# Altium PCB TimeCard-DC-V1.PcbDoc (part 1 of 3) (continued)
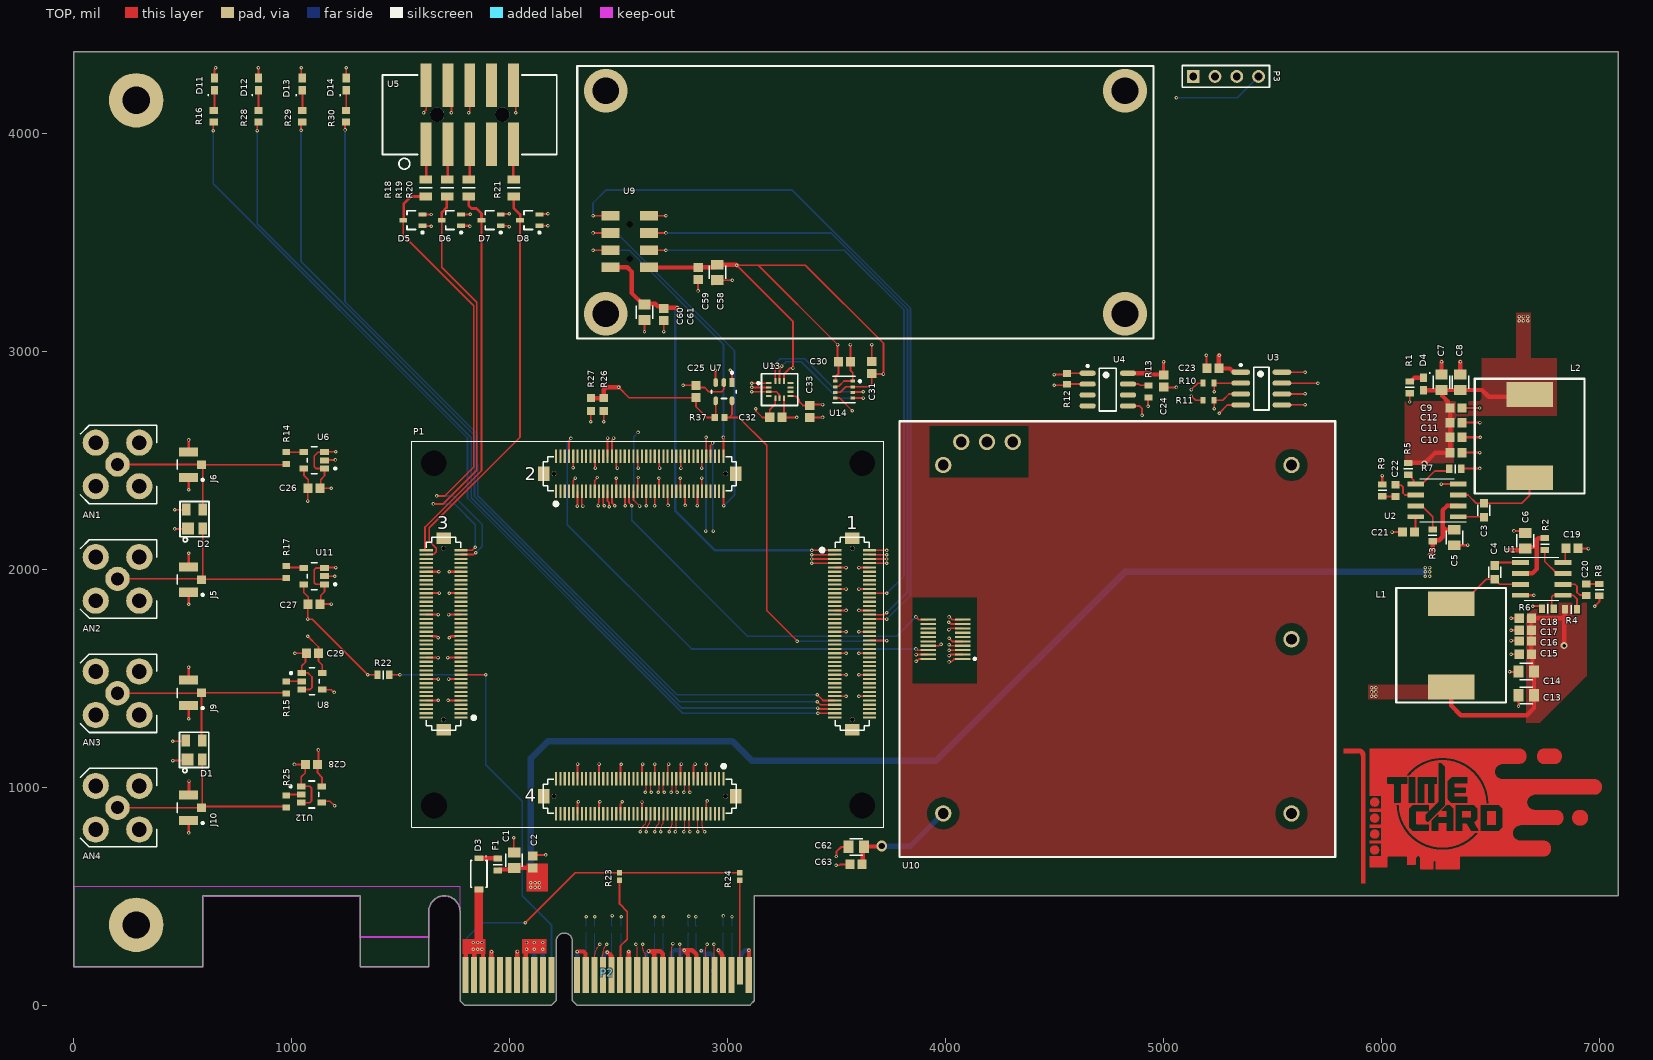
[diagram p0: TOP view]
## Components (designator, comment, footprint, x,y, rotation, side; value= is the part's Value field where it differs from the comment) (continued)
D1 "8240136" SOT143-4L 551.18,1171.26 r90 top
D2 "8240136" SOT143-4L 553.15,2230.31 r90 top
D3 "DFLZ39-TP" SODFL370X135-2N 1858.27,602.36 r270 top value=DFLZ39
D4 "RED" DIOM1608X06N 6192.91,2850.39 r270 top
D5 "BAT54SW" SOT65P210X110-3N 1555.12,3602.36 r180 top
D6 "BAT54SW" SOT65P210X110-3N 1732.28,3602.36 r180 top
D7 "BAT54SW" SOT65P210X110-3N 1914.37,3602.36 r180 top
D8 "BAT54SW" SOT65P210X110-3N 2091.54,3602.36 r180 top
D11 "RED" DIOM1608X06N 644.84,4226.06 r90 top
D12 "RED" DIOM1608X06N 846.51,4226.06 r90 top
D13 "RED" DIOM1608X06N 1048.18,4226.06 r90 top
D14 "RED" DIOM1608X06N 1249.84,4226.06 r90 top
F1 "FUSE_0603_2.00A" FUSM1608X60N 1944.88,645.28 r270 top value=2.00A
J5 "1909763-1" TECO-1909763-1_V 525.59,1952.76 r90 top
J6 "1909763-1" TECO-1909763-1_V 525.59,2480.32 r90 top
J9 "1909763-1" TECO-1909763-1_V 525.59,1433.07 r90 top
J10 "1909763-1" TECO-1909763-1_V 525.59,905.51 r90 top
L1 "PM124SH-100M-RC" IND_PM124SH 6319.84,1651.06 r90 top value=10.uH
L2 "PM124SH-100M-RC" IND_PM124SH 6679.84,2611.06 r270 top value=10.uH
P1 "FPGA_CONN" FPGA_CONN 2633.9,1698.43 r0 top locked
P2 "PCIex4" PCIE_4LANE_EDGE 2446.85,245.04 r0 top
P3 "AUX Sensor" HDR1X4 5136.22,4261.81 r0 top
R1 "ERJ-3EKF2000V" RESC1608X50N 6129.92,2834.65 r90 top value="200 OHM"
R2 "ERJ-3EKF4702V" RESC1608X50N 6749.84,2116.06 r90 top value=47K
R3 "ERJ-3EKF4702V" RESC1608X50N 6234.84,2156.06 r270 top value=47K
R4 "ERJ-3EKF4702V" RESC1608X50N 6869.84,1816.06 r0 top value=47K
R5 "ERJ-3EKF2612V" RESC1608X50N 6122.84,2461.06 r90 top value=26.1K
R6 "ERJ-3EKF1002V" RESC1608X50N 6763.78,1818.9 r0 top value=10K
R7 "ERJ-3EKF1002V" RESC1608X50N 6338.58,2460.63 r180 top value=10K
R8 "ERJ-3EKF2201V" RESC1608X50N 7000,1905.51 r90 top value=2.2K
R9 "ERJ-3EKF2201V" RESC1608X50N 6003.94,2362.2 r270 top value=2.2K
R10 "4.7K" RESC1608X55X25LL10T15 5206.69,2854.33 r0 top
R11 "4.7K" RESC1608X55X25LL10T15 5206.69,2775.59 r0 top
R12 "110R" RESC1609X50X30NL10T20 4557.09,2874.02 r270 top
R13 "49.9R" RESC1608X55X25NL10T15 4931.1,2814.96 r270 top
R14 "49.9R" RESC1608X55X25NL10T15 974.41,2509.84 r270 top
R15 "49.9R" RESC1608X55X25NL10T15 974.41,1456.69 r270 top
R16 "200 OHM" RESC1608X55X30NL15T15#1 641.73,4078.74 r90 top
R17 "49.9R" RESC1608X55X25NL10T15 974.41,1988.19 r270 top
R18 "CRCW080533R0FKEA" RESC2012X50N 1614.17,3750 r90 top value="33 OHM"
R19 "CRCW080533R0FKEA" RESC2012X50N 1712.6,3750 r90 top value="33 OHM"
R20 "CRCW080533R0FKEA" RESC2012X50N 1811.02,3750 r90 top value="33 OHM"
R21 "CRCW080533R0FKEA" RESC2012X50N 2017.72,3750 r90 top value="33 OHM"
R22 "ERJ-3EKF4701V" RESC1608X50N 1419.68,1515.75 r180 top value=4.7K
R23 "ERJ-2GE0R00X" RESC1005X04N 2503.94,590.55 r270 top value="0 OHM"
R24 "ERJ-2GE0R00X" RESC1005X04N 3055.12,590.55 r270 top value="0 OHM"
R25 "49.9R" RESC1608X55X25NL10T15 974.41,935.04 r270 top
R26 "4.7K" RESC1608X55X30NL15T15#2 2431.1,2755.91 r90 top
R27 "4.7K" RESC1608X55X30NL15T15#2 2372.05,2755.91 r90 top
R28 "200 OHM" RESC1608X55X30NL15T15#1 846.46,4078.74 r90 top
R29 "200 OHM" RESC1608X55X30NL15T15#1 1047.24,4078.74 r90 top
R30 "200 OHM" RESC1608X55X30NL15T15#1 1248.03,4078.74 r90 top
R37 "10K" RESC1608X55X30LL15T20 2962.6,2696.85 r180 top
U1 "MP1482DS-LF" SOIC127P600X175-8N 6734.84,1956.06 r0 top value=MP1482DS
U2 "MP1482DS-LF" SOIC127P600X175-8N 6254.84,2316.06 r180 top value=MP1482DS
U3 "DS90LV027AQMA" M08A_N 5448.82,2829.33 r0 top
U4 "DS90LV028AQMA" M08A_L 4744.09,2824.8 r0 top
U5 "HTST-105-01-L-DV-A" SAMTEC_HTST-105-01-L-DV-A 1816.1,4086.1 r0 top value=2X5
U6 "NC7SZ125M5" FP-318BQ-MFG 1102.36,2500 r180 top
U7 "AT24MAC402-STUM-T" FP-5TS1-IPC_C 2982.28,2814.96 r270 top
U8 "NC7SZ125M5" FP-318BQ-MFG 1092.52,1486.22 r0 top
U9 "RCB-F9T" GNSS 2550.3,3503.94 r0 top
U10 "MAC-SA5X" SA53 4753.94,1732.28 r0 top value=RV-3049-C3
U11 "NC7SZ125M5" FP-318BQ-MFG 1102.36,1968.5 r180 top
U12 "NC7SZ125M5" FP-318BQ-MFG 1090.55,966.54 r0 top
U13 "BMX160" FP-BMX160-MFG 3238.19,2824.8 r0 top
U14 "BME280" FP-BME280-MFG 3533.46,2824.8 r0 top

## Footprints (in the part's own frame and the unit in brackets; to place one, negate y for a bottom-side part, rotate by r counter-clockwise, add the part's x,y. Pads: shape width x height; smd on the part's side, far side on the other; paste and mask are expansions set on the pad)
AMPHENOL-901-143-6RFX [mil] "CONN JACK SMA R/A TH"
  round 112 hole 60: 1(0,0)
  round 120 hole 68: 2(-100,-100) 3(-100,100) 4(100,100) 5(100,-100)
  silkscreen extent -180,-180 170,180, body extent -138,-138 356,138, height 388
CAPC1005X06N [mm] "Chip Capacitor, 0402, 2-Leads, Body 1.00x0.50mm, IPC Medium Density"
  rect 0.68x0.64 smd: 1(-0.43,0) 2(0.43,0)
  body extent -0.55,-0.3 0.55,0.3, height 0.6
CAPC1608X10N [mm] "Chip Capacitor, 0603, 2-Leads, Body 1.60x0.80mm, IPC Medium Density"
  rect 1x0.95 smd: 1(-0.8,0) 2(0.8,0)
  silkscreen extent -0.64,-0.71 0.64,0.71, body extent -0.88,-0.48 0.87,0.48, height 1
CAPC1608X87X45ML20T05 [mm] "Chip Capacitor, 2-Leads, Body 1.60x0.80mm, IPC Low Density"
  rect 1.05x1.1 smd: 1(-0.7,0) 2(0.7,0)
  body extent -0.9,-0.5 0.9,0.5, height 0.87
CAPC1608X90X35NL10T15 [mm] "Chip Capacitor, 2-Leads, Body 1.60x0.80mm, IPC Medium Density"
  rect 0.85x0.95 smd: 1(-0.675,0) 2(0.675,0)
  body extent -0.85,-0.45 0.85,0.45, height 0.9
CAPC2012X14N [mm] "Chip Capacitor, 0805, 2-Leads, Body 2.00x1.25mm, IPC Medium Density"
  rect 1.15x1.45 smd: 1(-0.9,0) 2(0.9,0)
  silkscreen extent -0.76,-0.97 0.76,0.97, body extent -1.1,-0.72 1.1,0.72, height 1.4
DIOM1608X06N [mm] "Molded Diode, 0603, 2-Leads, Body 1.60x0.80mm, IPC Medium Density"
  rect 1x0.85 smd: 1(-0.725,0) 2(0.725,0)
  silkscreen extent -1.32,0.68 -1.23,0.77, body extent -0.8,-0.4 0.8,0.4, height 0.6
FP-5TS1-IPC_C [mm]
  rect 1.038x0.532 smd paste+0 mask+0: 1(-1.066,0.95)
  rrect100% 1.038x0.532 smd paste+0 mask+0: 2(-1.066,0) 3(-1.066,-0.95) 4(1.066,-0.95) 5(1.066,0.95)
  silkscreen extent -2.34,-1.45 0.8,1.45, body extent -1.69,-1.55 1.69,1.55, height 0.25
FP-318BQ-MFG [mm]
  rect 1x0.7 smd paste+0 mask+0: 1(-1.2,0.95) 2(-1.2,0) 3(-1.2,-0.95) 4(1.2,-0.95) 5(1.2,0.95)
  silkscreen extent -2.58,-1.58 0.82,1.58, body extent -1.8,-1.83 1.8,1.83, height 0.25
FP-BME280-MFG [mm]
  rect 0.5x0.35 smd paste+0 mask+0: 1(1.025,0.975) 2(1.025,0.325) 3(1.025,-0.325) 4(1.025,-0.975) 5(-1.025,-0.975) 6(-1.025,-0.325) 7(-1.025,0.325) 8(-1.025,0.975)
  silkscreen extent -1.3,-1.55 1.97,1.55
FP-BMX160-MFG [mm]
  rect 0.675x0.25 smd paste+0 mask+0: 1(-1.262,0.75) 2(-1.262,0.25) 3(-1.262,-0.25) 4(-1.262,-0.75) 8(1.262,-0.75) 9(1.262,-0.25) 10(1.262,0.25) 11(1.262,0.75)
  rect 0.25x0.675 smd paste+0 mask+0: 5(-0.5,-1.012) 6(0,-1.012) 7(0.5,-1.012) 12(0.5,1.012) 13(0,1.012) 14(-0.5,1.012)
  silkscreen extent -2.6,-1.85 2.1,1.85, body extent -2.1,-1.85 2.1,1.85, height 0.25
FPGA_CONN [mm]
  rect 1.55x0.25 smd: A-1(21.786,9.875) A-2(25.836,9.875) A-3(21.786,9.375) A-4(25.836,9.375) A-5(21.786,8.875) A-6(25.836,8.875) A-7(21.786,8.375) A-8(25.836,8.375) A-9(21.786,7.875) A-10(25.836,7.875) A-11(21.786,7.375) A-12(25.836,7.375) A-13(21.786,6.875) A-14(25.836,6.875) A-15(21.786,6.375) A-16(25.836,6.375) A-17(21.786,5.875) A-18(25.836,5.875) A-19(21.786,5.375) A-20(25.836,5.375) A-21(21.786,4.875) A-22(25.836,4.875) A-23(21.786,4.375) A-24(25.836,4.375) A-25(21.786,3.875) A-26(25.836,3.875) A-27(21.786,3.375) A-28(25.836,3.375) A-29(21.786,2.875) A-30(25.836,2.875) A-31(21.786,2.375) A-32(25.836,2.375) A-33(21.786,1.875) A-34(25.836,1.875) A-35(21.786,1.375) A-36(25.836,1.375) A-37(21.786,0.875) A-38(25.836,0.875) A-39(21.786,0.375) A-40(25.836,0.375) A-41(21.786,-0.125) A-42(25.836,-0.125) A-43(21.786,-0.625) A-44(25.836,-0.625) A-45(21.786,-1.125) A-46(25.836,-1.125) A-47(21.786,-1.625) A-48(25.836,-1.625) A-49(21.786,-2.125) A-50(25.836,-2.125) A-51(21.786,-2.625) A-52(25.836,-2.625) A-53(21.786,-3.125) A-54(25.836,-3.125) A-55(21.786,-3.625) A-56(25.836,-3.625) A-57(21.786,-4.125) A-58(25.836,-4.125) A-59(21.786,-4.625) A-60(25.836,-4.625) A-61(21.786,-5.125) A-62(25.836,-5.125) A-63(21.786,-5.625) A-64(25.836,-5.625) A-65(21.786,-6.125) A-66(25.836,-6.125) A-67(21.786,-6.625) A-68(25.836,-6.625) A-69(21.786,-7.125) A-70(25.836,-7.125) A-71(21.786,-7.625) A-72(25.836,-7.625) A-73(21.786,-8.125) A-74(25.836,-8.125) A-75(21.786,-8.625) A-76(25.836,-8.625) A-77(21.786,-9.125) A-78(25.836,-9.125) A-79(21.786,-9.625) A-80(25.836,-9.625) C-1(-21.786,-9.624) C-2(-25.836,-9.624) C-3(-21.786,-9.124) C-4(-25.836,-9.124) C-5(-21.786,-8.624) C-6(-25.836,-8.624) C-7(-21.786,-8.124) C-8(-25.836,-8.124) C-9(-21.786,-7.624) C-10(-25.836,-7.624) C-11(-21.786,-7.124) C-12(-25.836,-7.124) C-13(-21.786,-6.624) C-14(-25.836,-6.624) C-15(-21.786,-6.124) C-16(-25.836,-6.124) C-17(-21.786,-5.624) C-18(-25.836,-5.624) C-19(-21.786,-5.124) C-20(-25.836,-5.124) C-21(-21.786,-4.624) C-22(-25.836,-4.624) C-23(-21.786,-4.124) C-24(-25.836,-4.124) C-25(-21.786,-3.624) C-26(-25.836,-3.624) C-27(-21.786,-3.124) C-28(-25.836,-3.124) C-29(-21.786,-2.624) C-30(-25.836,-2.624) C-31(-21.786,-2.124) C-32(-25.836,-2.124) C-33(-21.786,-1.624) C-34(-25.836,-1.624) C-35(-21.786,-1.124) C-36(-25.836,-1.124) C-37(-21.786,-0.624) C-38(-25.836,-0.624) C-39(-21.786,-0.124) C-40(-25.836,-0.124) C-41(-21.786,0.376) C-42(-25.836,0.376) C-43(-21.786,0.876) C-44(-25.836,0.876) C-45(-21.786,1.376) C-46(-25.836,1.376) C-47(-21.786,1.876) C-48(-25.836,1.876) C-49(-21.786,2.376) C-50(-25.836,2.376) C-51(-21.786,2.876) C-52(-25.836,2.876) C-53(-21.786,3.376) C-54(-25.836,3.376) C-55(-21.786,3.876) C-56(-25.836,3.876) C-57(-21.786,4.376) C-58(-25.836,4.376) C-59(-21.786,4.876) C-60(-25.836,4.876) C-61(-21.786,5.376) C-62(-25.836,5.376) C-63(-21.786,5.876) C-64(-25.836,5.876) C-65(-21.786,6.376) C-66(-25.836,6.376) C-67(-21.786,6.876) C-68(-25.836,6.876) C-69(-21.786,7.376) C-70(-25.836,7.376) C-71(-21.786,7.876) C-72(-25.836,7.876) C-73(-21.786,8.376) C-74(-25.836,8.376) C-75(-21.786,8.876) C-76(-25.836,8.876) C-77(-21.786,9.376) C-78(-25.836,9.376) C-79(-21.786,9.876) C-80(-25.836,9.876)
  rect 1.7x1.35 smd: A-81(23.8,11.3) A-84(23.8,-11.05) C-81(-23.8,-11.05) C-84(-23.8,11.3)
  round 0.55 hole 0.55: A-82(23.811,10.125) A-83(23.811,-9.875) B-82(-10.951,18.795) B-83(9.049,18.795) C-82(-23.811,-9.874) C-83(-23.811,10.126) D-82(9.049,-18.795) D-83(-10.951,-18.795)
  rect 0.25x1.55 smd: B-1(-10.701,16.77) B-2(-10.701,20.82) B-3(-10.201,16.77) B-4(-10.201,20.82) B-5(-9.701,16.77) B-6(-9.701,20.82) B-7(-9.201,16.77) B-8(-9.201,20.82) B-9(-8.701,16.77) B-10(-8.701,20.82) B-11(-8.201,16.77) B-12(-8.201,20.82) B-13(-7.701,16.77) B-14(-7.701,20.82) B-15(-7.201,16.77) B-16(-7.201,20.82) B-17(-6.701,16.77) B-18(-6.701,20.82) B-19(-6.201,16.77) B-20(-6.201,20.82) B-21(-5.701,16.77) B-22(-5.701,20.82) B-23(-5.201,16.77) B-24(-5.201,20.82) B-25(-4.701,16.77) B-26(-4.701,20.82) B-27(-4.201,16.77) B-28(-4.201,20.82) B-29(-3.701,16.77) B-30(-3.701,20.82) B-31(-3.201,16.77) B-32(-3.201,20.82) B-33(-2.701,16.77) B-34(-2.701,20.82) B-35(-2.201,16.77) B-36(-2.201,20.82) B-37(-1.701,16.77) B-38(-1.701,20.82) B-39(-1.201,16.77) B-40(-1.201,20.82) B-41(-0.701,16.77) B-42(-0.701,20.82) B-43(-0.201,16.77) B-44(-0.201,20.82) B-45(0.299,16.77) B-46(0.299,20.82) B-47(0.799,16.77) B-48(0.799,20.82) B-49(1.299,16.77) B-50(1.299,20.82) B-51(1.799,16.77) B-52(1.799,20.82) B-53(2.299,16.77) B-54(2.299,20.82) B-55(2.799,16.77) B-56(2.799,20.82) B-57(3.299,16.77) B-58(3.299,20.82) B-59(3.799,16.77) B-60(3.799,20.82) B-61(4.299,16.77) B-62(4.299,20.82) B-63(4.799,16.77) B-64(4.799,20.82) B-65(5.299,16.77) B-66(5.299,20.82) B-67(5.799,16.77) B-68(5.799,20.82) B-69(6.299,16.77) B-70(6.299,20.82) B-71(6.799,16.77) B-72(6.799,20.82) B-73(7.299,16.77) B-74(7.299,20.82) B-75(7.799,16.77) B-76(7.799,20.82) B-77(8.299,16.77) B-78(8.299,20.82) B-79(8.799,16.77) B-80(8.799,20.82) D-1(8.799,-16.77) D-2(8.799,-20.82) D-3(8.299,-16.77) D-4(8.299,-20.82) D-5(7.799,-16.77) D-6(7.799,-20.82) D-7(7.299,-16.77) D-8(7.299,-20.82) D-9(6.799,-16.77) D-10(6.799,-20.82) D-11(6.299,-16.77) D-12(6.299,-20.82) D-13(5.799,-16.77) D-14(5.799,-20.82) D-15(5.299,-16.77) D-16(5.299,-20.82) D-17(4.799,-16.77) D-18(4.799,-20.82) D-19(4.299,-16.77) D-20(4.299,-20.82) D-21(3.799,-16.77) D-22(3.799,-20.82) D-23(3.299,-16.77) D-24(3.299,-20.82) D-25(2.799,-16.77) D-26(2.799,-20.82) D-27(2.299,-16.77) D-28(2.299,-20.82) D-29(1.799,-16.77) D-30(1.799,-20.82) D-31(1.299,-16.77) D-32(1.299,-20.82) D-33(0.799,-16.77) D-34(0.799,-20.82) D-35(0.299,-16.77) D-36(0.299,-20.82) D-37(-0.201,-16.77) D-38(-0.201,-20.82) D-39(-0.701,-16.77) D-40(-0.701,-20.82) D-41(-1.201,-16.77) D-42(-1.201,-20.82) D-43(-1.701,-16.77) D-44(-1.701,-20.82) D-45(-2.201,-16.77) D-46(-2.201,-20.82) D-47(-2.701,-16.77) D-48(-2.701,-20.82) D-49(-3.201,-16.77) D-50(-3.201,-20.82) D-51(-3.701,-16.77) D-52(-3.701,-20.82) D-53(-4.201,-16.77) D-54(-4.201,-20.82) D-55(-4.701,-16.77) D-56(-4.701,-20.82) D-57(-5.201,-16.77) D-58(-5.201,-20.82) D-59(-5.701,-16.77) D-60(-5.701,-20.82) D-61(-6.201,-16.77) D-62(-6.201,-20.82) D-63(-6.701,-16.77) D-64(-6.701,-20.82) D-65(-7.201,-16.77) D-66(-7.201,-20.82) D-67(-7.701,-16.77) D-68(-7.701,-20.82) D-69(-8.201,-16.77) D-70(-8.201,-20.82) D-71(-8.701,-16.77) D-72(-8.701,-20.82) D-73(-9.201,-16.77) D-74(-9.201,-20.82) D-75(-9.701,-16.77) D-76(-9.701,-20.82) D-77(-10.201,-16.77) D-78(-10.201,-20.82) D-79(-10.701,-16.77) D-80(-10.701,-20.82)
  rect 1.35x1.7 smd: B-81(-12.125,18.8) B-84(10.225,18.8) D-81(10.225,-18.8) D-84(-12.125,-18.8)
  rect 0x0 hole 3: MNT-1(-24.952,20.008) MNT-2(24.985,20.008) MNT-3(24.985,-19.87) MNT-4(-24.926,-19.87)
  silkscreen extent -27.52,-22.43 27.48,22.57
FUSM1608X60N [mm] "Chip Fuse, 0603, 2-Leads, Body 1.60x0.81mm, IPC Medium Density"
  rect 0.72x1 smd: 1(-0.69,0) 2(0.69,0)
  silkscreen extent 0,-0.5 0,0.5, body extent -0.81,-0.41 0.81,0.41, height 0.61
GNSS [mm]
  round 0 hole 0.76: 0(0,-2) 0(0,2)
  rect 2.105x1.12 smd: 1(-2.222,-3) 2(2.223,-3) 3(-2.222,-1) 4(2.223,-1) 5(-2.222,1) 6(2.223,1) 7(-2.222,3) 8(2.223,3)
  silkscreen extent -6.11,-11.28 61.07,20.47, body extent -2.78,-3.85 2.78,4.15, height 4.32
HDR1X4 [mm] "Connector; Header; 4 Position"
  rect 1.5x1.5 hole 0.9: 1(0,0)
  round 1.5 hole 0.9: 2(2.54,0) 3(5.08,0) 4(7.62,0)
  silkscreen extent -1.27,-1.27 8.89,1.27
IND_PM124SH [mm]
  rect 2.9x5.4 smd: 1(-4.85,0) 2(4.85,0)
  silkscreen extent -6.68,-6.4 6.68,6.4, body extent -6.81,-6.53 6.81,6.53, height 4.5
M08A_L [mm] "SOIC, 8-Leads, Body 4.9x3.9mm, Pitch 1.27mm, IPC High Density"
  oval 1.9x0.6 smd: 1(-2.35,1.905) 2(-2.35,0.635) 3(-2.35,-0.635) 4(-2.35,-1.905) 5(2.35,-1.905) 6(2.35,-0.635) 7(2.35,0.635) 8(2.35,1.905)
  silkscreen extent -2.47,-2.5 1,2.88, body extent -2,-2.5 2,2.5, height 1.75
M08A_N [mm] "SOIC, 8-Leads, Body 4.9x3.9mm, Pitch 1.27mm, IPC Medium Density"
  oval 2.2x0.6 smd: 1(-2.4,1.905) 2(-2.4,0.635) 3(-2.4,-0.635) 4(-2.4,-1.905) 5(2.4,-1.905) 6(2.4,-0.635) 7(2.4,0.635) 8(2.4,1.905)
  silkscreen extent -2.52,-2.5 0.9,2.88, body extent -2,-2.5 2,2.5, height 1.75
PCIE_4LANE_EDGE [mil] "PCIE_4LANE_EDGE"
  rect 28x126 smd far side: A1(-649.6,-87.74)
  rect 28x165 smd far side: A2(-610.23,-107.24) A3(-570.86,-107.24) A4(-531.49,-107.24) A5(-492.12,-107.24) A6(-452.75,-107.24) A7(-413.38,-107.24) A8(-374.01,-107.24) A9(-334.64,-107.24) A10(-295.27,-107.24) A11(-255.9,-107.24) A12(-137.79,-107.24) A13(-98.42,-107.24) A14(-59.05,-107.24) A15(-19.68,-107.24) A16(19.69,-107.24) A17(59.06,-107.24) A18(98.43,-107.24) A19(137.8,-107.24) A20(177.17,-107.24) A21(216.54,-107.24) A22(255.91,-107.24) A23(295.28,-107.24) A24(334.65,-107.24) A25(374.02,-107.24) A26(413.39,-107.24) A27(452.76,-107.24) A28(492.13,-107.24) A29(531.5,-107.24) A30(570.87,-107.24) A31(610.24,-107.24) A32(649.61,-107.24)
  rect 28x165 smd: B1(-649.6,-107.24) B2(-610.23,-107.24) B3(-570.86,-107.24) B4(-531.49,-107.24) B5(-492.12,-107.24) B6(-452.75,-107.24) B7(-413.38,-107.24) B8(-374.01,-107.24) B9(-334.64,-107.24) B10(-295.27,-107.24) B11(-255.9,-107.24) B12(-137.79,-107.24) B13(-98.42,-107.24) B14(-59.05,-107.24) B15(-19.68,-107.24) B16(19.69,-107.24) B17(59.06,-107.24) B18(98.43,-107.24) B19(137.8,-107.24) B20(177.17,-107.24) B21(216.54,-107.24) B22(255.91,-107.24) B23(295.28,-107.24) B24(334.65,-107.24) B25(374.02,-107.24) B26(413.39,-107.24) B27(452.76,-107.24) B28(492.13,-107.24) B29(531.5,-107.24) B30(570.87,-107.24) B32(649.61,-107.24)
  rect 28x126 smd: B31(610.24,-87.74)
RESC1005X04N [mm] "Chip Resistor, 0402, 2-Leads, Body 1.00x0.50mm, IPC Medium Density"
  rect 0.65x0.6 smd: 1(-0.425,0) 2(0.425,0)
  body extent -0.55,-0.3 0.55,0.3, height 0.4
RESC1608X50N [mm] "Chip Resistor, 0603, 2-Leads, Body 1.57x0.85mm, IPC Medium Density"
  rect 0.72x1 smd: 1(-0.69,0) 2(0.69,0)
  silkscreen extent 0,-0.5 0,0.5, body extent -0.83,-0.48 0.82,0.48, height 0.5
RESC1608X55X25LL10T15 [mm] "Chip Resistor, 2-Leads, Body 1.60x0.80mm, IPC High Density"
  rect 0.6x0.8 smd: 1(-0.65,0) 2(0.65,0)
  body extent -0.85,-0.45 0.85,0.45, height 0.55
RESC1608X55X25NL10T15 [mm] "Chip Resistor, 2-Leads, Body 1.70x0.90mm, IPC Medium Density"
  rect 0.7x0.9 smd: 1(-0.7,0) 2(0.7,0)
  body extent -0.85,-0.45 0.85,0.45, height 0.55
RESC1608X55X30LL15T20 [mm] "Chip Resistor, 2-Leads, Body 1.7x0.95mm, IPC High Density"
  rect 0.75x0.85 smd: 1(-0.575,0) 2(0.575,0)
  body extent -0.85,-0.48 0.85,0.48, height 0.55
RESC1608X55X30NL15T15#1 [mm] "Chip Resistor, 2-Leads, Body 1.60x0.80mm, IPC Medium Density"
  rect 0.8x0.95 smd: 1(-0.675,0) 2(0.675,0)
  body extent -0.87,-0.48 0.87,0.48, height 0.55
RESC1608X55X30NL15T15#2 [mm] "Chip Resistor, 2-Leads, Body 1.75x0.95mm, IPC Medium Density"
  rect 0.95x0.95 smd: 1(-0.75,0) 2(0.75,0)
  body extent -0.87,-0.48 0.87,0.48, height 0.55
RESC1609X50X30NL10T20 [mm] "Chip Resistor, 2-Leads, Body 1.55x0.85mm, IPC Medium Density"
  rect 0.8x0.95 smd: 1(-0.625,0) 2(0.625,0)
  body extent -0.82,-0.48 0.82,0.48, height 0.5
RESC2012X50N [mm] "Chip Resistor, 0805, 2-Leads, Body 2.05x1.25mm, IPC Medium Density"
  rect 0.95x1.45 smd: 1(-1,0) 2(1,0)
  silkscreen extent 0,-0.76 0,0.76, body extent -1.1,-0.7 1.1,0.7, height 0.5
SA53 [mm]
  rect 1.8x0.25 smd: 1(-17.167,-3.641) 2(-21.167,-3.641) 3(-17.167,-3.133) 4(-21.167,-3.133) 5(-17.167,-2.625) 6(-21.167,-2.625) 7(-17.167,-2.117) 8(-21.167,-2.117) 9(-17.167,-1.609) 10(-21.167,-1.609) 11(-17.167,-1.101) 12(-21.167,-1.101) 13(-17.167,-0.593) 14(-21.167,-0.593) 15(-17.167,-0.085) 16(-21.167,-0.085) 17(-17.167,0.423) 18(-21.167,0.423) 19(-17.167,0.931) 20(-21.167,0.931)
  round 1.905 hole 1.27: P1(21.167,-21.65) P2(21.167,-1.35) P3(21.167,18.95) P4(-19.433,18.95) P5(-19.433,-21.65) P6(-17.333,21.65) P7(-14.333,21.65) P8(-11.333,21.65)
  TOP pour cut-out: -15.5,3.5 -15.5,-6.5 -23,-6.5 -23,3.5
  TOP pour cut-out: -9.5,17.5 -21,17.5 -21,23.5 -9.5,23.5
  silkscreen extent -24.53,-26.75 26.27,24.05, body extent -21.83,-5.75 -16.43,3.05, height 2.28
SAMTEC_HTST-105-01-L-DV-A [mm] "SOP, 16-Leads, Body 4.90x3.90mm, Pitch 0.64mm, IPC Medium Density"
  rect 1.27x5.08 smd: 1(-5.08,-3.43) 2(-5.08,3.43) 3(-2.54,-3.43) 4(-2.54,3.43) 5(0,-3.43) 6(0,3.43) 7(2.54,-3.43) 8(2.54,3.43) 9(5.08,-3.43) 10(5.08,3.43)
  round 1.676 hole 1.676 unplated: ""(-3.81,0) ""(3.81,0)
  silkscreen extent -10.16,-6.35 10.16,4.64, body extent -10.16,-5.59 10.16,5.59, height 10.16
SODFL370X135-2N [mm] "SODFL, SOD-123FL, 2-Leads, Body 1.65x3.70mm, IPC Medium Density"
  rect 0.65x1.05 smd: 1(-1.825,0) 2(1.825,0)
  silkscreen extent -2.1,-0.95 1.55,0.95, body extent -1.93,-1.08 1.92,1.08, height 1.35
SOIC127P600X175-8N [mm] "SOIC, 8-Leads, Body 6.00x4.90mm, Pitch 1.27mm, IPC Medium Density"
  rect 1.97x0.57 smd: 1(-2.475,1.905) 2(-2.475,0.635) 3(-2.475,-0.635) 4(-2.475,-1.905) 5(2.475,-1.905) 6(2.475,-0.635) 7(2.475,0.635) 8(2.475,1.905)
  silkscreen extent -3.4,-2.5 2,2.5, body extent -3,-2.45 3,2.45, height 1.75
SOT65P210X110-3N [mm] "SOT323-3 (SC70), 3-Leads, Body 2.00x2.10mm, Pitch 0.65mm, IPC Medium Density"
  rect 0.9x0.5 smd: 1(-1.125,0.65) 2(-1.125,-0.65) 3(1.125,0)
  silkscreen extent -1.25,-1.1 0.67,1.57, body extent -1.25,-1.1 1,1.1, height 1.08
SOT143-4L [mm] "SOT143-4L, 4-Leads, Body 2.95x2.4mm, Pitch 1.70/1.90mm"
  rect 1.4x1.4 smd: 1(-1.1,0.75)
  rect 1.4x1 smd: 2(-1.1,-0.95) 3(1.1,-0.95) 4(1.1,0.95)
  silkscreen extent -2.66,-1.7 2.05,1.7, body extent -1.2,-1.46 1.2,1.46, height 1.03
TECO-1909763-1_V [mm] "SMD, 3-Leads, Body 2.6x2.6mm, Height 1.25mm"
  rect 1.05x2.2 smd: 1(-1.475,0) 3(1.475,0)
  rect 1x1.05 smd: 2(0,-1.525)
  silkscreen extent -1.9,-1.78 0.55,1.3, body extent -1.5,-1.55 1.5,1.55, height 1.23

## Part data
AN1 AN2 AN3 AN4: library part CMP-2000-05705-1, "Coaxial connector, 50 Ohm, -65 to 165 degC, 5-Pin THD, RoHS, Bulk", Dielectric Material=Polytetrafluoroethylene(PTFE), Frequency - Max=18GHz, Housing Color=Gold, Manufacturer=Amphenol, Operating Temperature=-65°C~165°C, Package Description="5-Pin Through Hole Device, Body 7 x 7 mm, Pitch 2.54 mm", Standard Package=1, Voltage Rating=-, 3D Model=901-143-6RFX.igs, Body Finish=Gold, Body Material=Brass, Cable Group=-, Catalog Drawings=901-143-6RFXMountingHole, CATEGORY=Connectors,Interconnects, Center Contact Material=BerylliumCopper, Center Contact Plating=Gold, Connector Style=SMA, Connector Type=Jack,FemaleSocket, Contact Termination=Solder, Datasheet URL=http://www.amphenolrf.com/downloads/dl/file/id/2712/product/3102/901_143_6rfx_customer_drawing.pdf, Datasheet Version="Rev. C, 06/2010", Family=CoaxialConnectors(RF), Fastening Type=Threaded, Features=-, Impedance=50Ohm, Ingress Protection=-, Manufacturer URL=http://www.amphenol.com/, Mounting Technology=ThroughHole, Mounting Type=ThroughHole,RightAngle, Online Catalog=SMA,RFX, Other Names=901-143-6-RFX9011436RFXARFX1232, Package Reference=901-143-6RFX, Packaging=Bulk, Series=-, Shield Termination=Solder
C1 C5 C6 C7 C8 C13 C14 C58 C60 C62: "CAP, CER, 10.UF, 25V, 10%, X5R, 0805", MAXTEMP=85C, MFG PART NUM=TMK212BBJ106KG-T, MINTEMP=-55C, Supplier Part Number 1=963-TMK212BBJ106KG-T, VALENTIUM PART NUM=<VALENTIUM>, CATEGORY="CAP, CER", DATE="4/11/2006 3:37:28 PM", DESC="CAP, CER, 10.UF, 10V, 10%, X5R, 0805", MFG Name="TAIYO YUDEN", MODIFY DATE=10/23/2013, P1=10%, P2=25V, P3=X5R, SIZE=0805, Supplier 1=MOUSER
C2 C9 C10 C11 C12 C15 C16 C17 C18 C19 C21 C23 C24 C25 C26 C27 C28 C29 C30 C31 C32 C33 C59 C61 C63: library part CMP-2006-00003-1, "C0603X104K5RACAUTO", Manufacturer=Kemet, Part Number=C0603X104K5RACAUTO
C3 C4: "CAP, CER, 0.01UF, 50V, 10%, X7R, 0603", MAXTEMP=125C, MFG PART NUM=C0603C103K5RACTU, MINTEMP=-55C, Supplier Part Number 1=399-1091-1-ND, VALENTIUM PART NUM=<VALENTIUM>, CATEGORY="CAP, CER", DATE=7/24/2013, DESC="CAP, CER, 0.01UF, 50V, 10%, X7R, 0603", MFG Name=KEMET, MODIFY DATE=10/23/2013, P1=10%, P2=50V, P3=X7R, SIZE=0603, Supplier 1=Digi-Key
C20 C22: library part CMP-2006-02385-1, "GCM188R71H333KA55D", Manufacturer=Murata, Part Number=GCM188R71H333KA55D
C44 C45 C46 C47 C48 C49 C50 C51 C52 C53: "CAP, CER, 0.1UF, 50V, 10%, X7R, AEC-Q200, 0402", MAXTEMP=125C, MFG PART NUM=CGA2B3X7R1H104K050BB, MINTEMP=-55C, Supplier Part Number 1=445-6899-1-ND, VALENTIUM PART NUM=<VALENTIUM>, CATEGORY="CAP, CER", DESC="CAP, CER, 0.1UF, 50V, 10%, X7R, AEC-Q200, 0402", MFG Name=TDK, MODIFY DATE=10/23/2013, OTHER=AEC-Q200, P1=10%, P2=50V, P3=X7R, SIZE=0402, Supplier 1=Digi-Key
D1 D2: library part CMP-1486-00002-1, "TVS Diode WE-TVS-HS, VRWM=3.3V", Manufacturer="Wuerth Elektronik", Reverse Stand Off Voltage=3.3V, ComponentLink1Description="Manufacturer URL", ComponentLink1URL=http://www.we-online.com, ComponentLink2Description=Datasheet, ComponentLink2URL=http://katalog.we-online.de/kataloge/eisos/media/pdf/8240136.pdf, PackageReference=SOT143-4L, PartNumber=8240136
D3: library part DFLZ39, "DIO, ZENER, DFLZ39, 39V, 5%, 1W, SOD123FL", MAXTEMP=150C, MINTEMP=-55C, Supplier Part Number 1=DFLZ39-TPMSDKR-ND, VALENTIUM PART NUM=<VALENTIUM>, CATEGORY="DIO, ZENER", DESC="DIO, ZENER, DFLZ39, 39V, 5%, 1W, SOD123FL", MFG Name="MICRO COMM", MFG PART NUM=DFLZ39-TP, MODIFY DATE=9/4/2013, OTHER=SERIES, P1=39V, P2=5%, P3=1W, SIZE=SOD123FL, Supplier 1=Digi-Key
D4 D11 D12 D13 D14: library part SMTLED_RED_0603_SML, "LED, RED, SML-LX0603, 635NM, 2V, 20MA, 0603", MAXTEMP=85C, MFG PART NUM=SML-LX0603IW-TR, MINTEMP=-25C, Supplier Part Number 1=67-1548-1-ND, VALENTIUM PART NUM=<VALENTIUM>, CATEGORY=LED, DESC="LED, RED, SML-LX0603, 635NM, 2V, 20MA, 0603", MFG Name=LUMEX, MODIFY DATE=9/4/2013, OTHER=SML-LX0603, P1=635NM, P2=2V, P3=20MA, SIZE=0603, Supplier 1=Digi-Key
D5 D6 D7 D8: "DIO, SCHOTTKY, BAT54S, DUAL SERIES, 30V, 200MA, SC-70", MAXTEMP=150C, MFG PART NUM=BAT54SWQ-7-F, MINTEMP=-55C, Supplier Part Number 1=BAT54SWQ-7-FDICT-ND, VALENTIUM PART NUM=<VALENTIUM>, CATEGORY="DIO, SCHOTTKY", DESC="DIO, SCHOTTKY, BAT54S, DUAL SERIES, 30V, 200MA, SC-70", MFG Name="DIODES INC", MODIFY DATE=9/4/2013, OTHER=SERIES, P1=SCHOTTKY, P2=30V, P3=200mA,200mW, SIZE=SC-70, Supplier 1=Digi-Key
F1: "FUSE SLOW 2.00A 32V M 0603", MAXTEMP=105C, MFG PART NUM=SF-0603S200-2, MINTEMP=-40C, Supplier Part Number 1=SF-0603S200-2CT-ND, VALENTIUM PART NUM=<VALENTIUM>, CATEGORY=FUSE, DATE="20 OCT 15", DESC="FUSE SLOW 1.25A 32V M 0603", MFG Name=BOURNS, MODIFY DATE=9/4/2013, OTHER="UL E141069", P1="SLOW BLO", P2=32V, P3=M, SIZE=0603, Supplier 1=Digi-Key
J5 J6 J9 J10: library part CMP-2000-07505-1, "Ultra Miniature Coaxial Connector Jack, 60 V, 50 Ohm, -40 to 90 degC, RoHS, Tape and Reel", Case\/Package=SMD/SMT, Dielectric Material=Polymer, Housing Colour=Beige, Manufacturer="TE Connectivity", Max Frequency=6GHz, Max Operating Temperature=90degC, Min Operating Temperature=-40degC, Package Description="3-Pin Surface Mount Device, Body 2.6 x 2.6 mm", Package Quantity=1, Package Reference=TECO-1909763-1, Body Material=LiquidCrystalPolymer, Body Plating=Gold, Connector Type=Jack, Contact Material=CopperAlloy, Contact Plating=Gold, Datasheet URL=http://www.te.com/commerce/DocumentDelivery/DDEController?Action=srchrtrv&DocNm=1909763&DocType=Customer+Drawing&DocLang=English, Datasheet Version="Rev. B2, 11/2015", ELV=Compliant, Fastening Type=Pull, Gender=Female, Impedance=50Ohm, Insulation Material=Thermoplastic, Lead Free=LeadFree, Length=3mm, Manufacturer URL=http://www.te.com/, Mount=SurfaceMount, Mounting Technology=SurfaceMount, Orientation=Straight, Packaging=TapeandReel, PCB Mounting Orientation=Vertical, Radiation Hardening=No, RoHSCompliant=true, Termination=SMD/SMT
L1 L2: "IND, PWR, 10.uH, 20%, 4A, 0.04DCR, 12.5X12.5MM, SHLD", MAXTEMP=125C, MINTEMP=-40C, Supplier Part Number 1=PM124SH-100M-RCCT-ND, VALENTIUM PART NUM=<VALENTIUM>, CATEGORY="IND, PWR", DATE=10/23/2013, DESC="IND, PWR, 10.uH, 20%, 4A, 0.04DCR, 12.5X12.5MM, SHLD", MFG Name=BOURNS, MFG PART NUM=PM124SH-100M-RC, MODIFY DATE=10/23/2013, OTHER=SHLD, P1=20%, P2=4A, P3=36mOhm, SIZE=12.5X12.5MM, Supplier 1=Digi-Key
P2: "PCIE x4 Edge Connector,OrCAD Symbol,NC", Manufacturer=NA, Part Number=451, NOTE=NC, Part Type=SMT, Vendor P/N=NA
P3: library part "Header 4", "Header, 4-Pin", LatestRevisionDate=17-Jul-2002, LatestRevisionNote="Re-released for DXP Platform.", Publisher="Altium Limited"
R1: library part RES_0603_200, "RES, 200 OHM, 1%, 1/10W, TF, 0603", MAXTEMP=125C, MINTEMP=-55C, Supplier Part Number 1=P200HCT-ND, VELENTIUM PART NUM=<VELENTIUM>, CATEGORY=RES, DATE=7/26/2013, DESC="RES, 200 OHM, 1%, 1/10W, TF, 0603", MFG Name=PANASONIC, MFG PART NUM=ERJ-3EKF2000V, ModifyDate=7/25/2013, OTHER=100PPM, P1=1%, P2=1/10W, P3=TF, SIZE=0603, SUB=GENERIC, Supplier 1=Digi-Key
R2 R3 R4: library part RES_0603_47K, "RES, 47K, 1%, 1/10W, TF, 0603", MAXTEMP=125C, MINTEMP=-55C, Supplier Part Number 1=P47.0KHCT-ND, VELENTIUM PART NUM=<VELENTIUM>, CATEGORY=RES, DATE=1/22/2014, DESC="RES, 47K, 1%, 1/10W, TF, 0603", MFG Name=PANASONIC, MFG PART NUM=ERJ-3EKF4702V, ModifyDate=1/22/2014, OTHER=100PPM, P1=1%, P2=1/10W, P3=TF, SIZE=0603, SUB=GENERIC, Supplier 1=Digi-Key
R5: library part RES_0603_26.1K, "RES, 26.1K, 1%, 1/10W, TF, 0603", MAXTEMP=125C, MINTEMP=-55C, Supplier Part Number 1=P26.1KHCT-ND, VELENTIUM PART NUM=<VELENTIUM>, CATEGORY=RES, DATE=7/26/2013, DESC="RES, 27.1K, 1%, 1/10W, TF, 0603", MFG Name=PANASONIC, MFG PART NUM=ERJ-3EKF2612V, ModifyDate=7/25/2013, OTHER=100PPM, P1=1%, P2=1/10W, P3=TF, SIZE=0603, SUB=GENERIC, Supplier 1=Digi-Key
R6 R7: library part RES_0603_10K, "RES, 10K, 1%, 1/10W, TF, 0603", MAXTEMP=125C, MINTEMP=-55C, Supplier Part Number 1=P10.0KHCT-ND, VELENTIUM PART NUM=<VELENTIUM>, CATEGORY=RES, DATE=7/26/2013, DESC="RES, 10K, 1%, 1/10W, TF, 0603", MFG Name=PANASONIC, MFG PART NUM=ERJ-3EKF1002V, ModifyDate=7/25/2013, OTHER=100PPM, P1=1%, P2=1/10W, P3=TF, SIZE=0603, SUB=GENERIC, Supplier 1=Digi-Key
R8 R9: library part RES_0603_2.2K, "RES, 2.2K, 1%, 1/10W, TF, 0603", MAXTEMP=125C, MINTEMP=-55C, Supplier Part Number 1=P2.20KHCT-ND, VELENTIUM PART NUM=<VELENTIUM>, CATEGORY=RES, DATE=8/15/2013, DESC="RES, 2.2K, 1%, 1/10W, TF, 0603", MFG Name=PANASONIC, MFG PART NUM=ERJ-3EKF2201V, ModifyDate=8/15/2013, OTHER=100PPM, P1=1%, P2=1/10W, P3=TF, SIZE=0603, SUB=GENERIC, Supplier 1=Digi-Key
R10 R11: library part CMP-2000-06942-1, "Chip Resistor, 4.7 KOhm, +/- 1%, 0.1 W, -55 to 155 degC, 0603 (1608 Metric), RoHS, Tape and Reel RC0603FR-074K7L", Case Code - in=0603, Case Code - mm=1608, Manufacturer=Yageo, Operating Temperature Range=-55Cto+155C, Package Description="2-Pin Surface Mount Device, Body 1.6 x 0.8 mm", Power Rating=100mW, Resistance=4.7kOhms, Temperature Coefficient=100PPM/C, Tolerance=1%, Voltage Rating=50V, Datasheet URL=http://www.yageo.com/documents/recent/PYu-RC_Group_51_RoHS_L_7.pdf, Datasheet Version="Rev. 7, 05/2017", Manufacturer URL=http://www.yageo.com/, Mounting Technology=SurfaceMount, Package Reference=0603, Packaging=Reel, Product=ThickFilmResistorsGeneralPurpose, Series=RC, Termination Style=SMD/SMT
R12: library part CMP-2000-03854-1, Manufacturer="Vishay Dale", Part Number=CRCW0603110RFKEA
R13 R14 R15 R17 R25: library part CMP-1659-00036-1, "General Purpose Chip Resistor, 49.9 Ohm, +/- 1%, -55 to 155 degC, 0603 (1608 Metric), RoHS, Tape and Reel", Case\Package=LQFP, Max Operating Temperature="85 degC", Max Supply Voltage="3.63 V", Min Operating Temperature="-40 degC", Min Supply Voltage="2.97 V", Package Quantity=250, ComponentLink1Description="Manufacturer URL", ComponentLink1URL=http://www.yageo.com/, ComponentLink2Description=Datasheet, ComponentLink2URL=https://datasheet.ciiva.com/11808/0900766b80f96399-11808223.pdf, DatasheetVersion="Rev. 4, 04/2009", Interface=SPI, PackageDescription="2-Pin Surface Mount Device, Body 1.6 x 0.8 mm", PackageReference=0603, Packaging=Tray, Pins=48, RoHSCompliant=true
R16 R28 R29 R30: library part CMP-2000-00316-1, "ERJ-3EKF2000V", Manufacturer=Panasonic, Part Number=ERJ-3EKF2000V
R18 R19 R20 R21: library part RES_0805_33, "RES, 33 OHM, 1%, 1/8W, TF, 0805", MAXTEMP=125C, MINTEMP=-55C, Supplier Part Number 1=541-33.0CCT-ND, VELENTIUM PART NUM=<VELENTIUM>, CATEGORY=RES, DESC="RES, 33 OHM, 1%, 1/8W, TF, 0805", MFG Name=VISHAY/DALE, MFG PART NUM=CRCW080533R0FKEA, ModifyDate=7/26/2013, OTHER=100PPM, P1=1%, P2=1/8W, P3=TF, SIZE=0805, Supplier 1=Digi-Key
R22: library part RES_0603_4.7K, "RES, 4.7K, 1%, 1/10W, TF, 0603", MAXTEMP=125C, MINTEMP=-55C, Supplier Part Number 1=P4.70KHCT-ND, VELENTIUM PART NUM=<VELENTIUM>, CATEGORY=RES, DATE=7/26/2013, DESC="RES, 4.7K, 1%, 1/10W, TF, 0603", MFG Name=PANASONIC, MFG PART NUM=ERJ-3EKF4701V, ModifyDate=7/25/2013, OTHER=100PPM, P1=1%, P2=1/10W, P3=TF, SIZE=0603, SUB=GENERIC, Supplier 1=Digi-Key
R23 R24: library part RES_0402_0, "RES, 0. OHM, 1%, 1/16W, TF, AEC-Q200, 0402", MAXTEMP=155C, MINTEMP=-55C, Supplier Part Number 1=P0.0JCT-ND, VELENTIUM PART NUM=<VELENTIUM>, CATEGORY=RES, DATE=7/26/2013, DESC="RES, 0 OHM, 1%, 1/16W, TF, AEC-Q200, 0402", MFG Name=PANASONIC, MFG PART NUM=ERJ-2GE0R00X, ModifyDate=7/25/2013, OTHER="100PPM, AEC-Q200", P1=1%, P2=1/16W, P3=TF, SIZE=0402, SUB=GENERIC, Supplier 1=Digi-Key
R26 R27: library part CMP-1012-00586-3, "Precision Thick Film Chip Resistor, 4.7 KOhm, +/- 1%, -55 to 155 degC, 0603 (1608 Metric), RoHS, Tape and Reel ERJ-3EKF4701V", Case Code (Imperial)=1206, Case Code (Metric)=3216, Case\Package=1205, Max Operating Temperature="125 degC", Min Operating Temperature="-55 degC", Package Quantity=1, Power Rating="250 mW", Resistance="220 Ohm", Tolerance=5%, Type (Resistor)="Thick Film", Voltage Rating="50 V", ComponentLink1Description="Manufacturer URL", ComponentLink1URL=http://www.panasonic.com/, ComponentLink2Description=Datasheet, ComponentLink2URL=http://industrial.panasonic.com/cdbs/www-data/pdf/RDA0000/AOA0000C86.pdf, DatasheetVersion=Apr-15, Elements=4, Height="0.024 inch", Length="0.126 inch", Mount="Surface Mount", PackageDescription="2-Pin Surface Mount Device, Body 1.6 x 0.85 mm", PackageReference=0603, Packaging="Tape and Reel", Pins=8, Radiation Hardening=No, REACH SVHC="No SVHC", RoHSCompliant=true, Width="0.063 inch"
R37: library part CMP-2000-06990-1, "Chip Resistor, 10 KOhm, +/- 1%, 0.1 W, -55 to 155 degC, 0603 (1608 Metric), RoHS, Tape and Reel RMCF0603FT10K0", Manufacturer=Stackpole-Electronics-Inc., Operating Temperature=-55°C~155°C, Package / Case=0603(1608Metric), Package Description="2-Pin Surface Mount Device, Body 1.55 x 0.8 mm", Package Reference=0603, Power (Watts)=0.1W,1/10W, Resistance (Ohms)=10k, Temperature Coefficient=±100ppm/°C, Tolerance=±1%, CATEGORY=Resistors, Composition=ThickFilm, Datasheet URL=https://www.seielect.com/Catalog/SEI-RMCF_RMCP.pdf, Datasheet Version=01/2017, Family=ChipResistor-SurfaceMount, Features=AutomotiveAEC-Q200, Height="0.022\"(0.55mm)", Manufacturer URL=https://www.seielect.com/, Mounting Technology=SurfaceMount, Number of Terminations=2, Packaging=CutTape(CT), Series=RMCF, Size / Dimension="0.061\"Lx0.031\"W(1.55mmx0.80mm)", Supplier Device Package=0603
U1 U2: library part MP1482DS, "IC, DC/DC, MP1482DS, >4.75VIN, 0.923-15V OUT, SOIC8", MAXTEMP=+85C, MINTEMP=-40C, Supplier Part Number 1=1589-1524-1-ND, VELENTIUM PART NUM="<V PART NUM>", CATEGORY="IC, DC/DC", DESC="IC, DC/DC, MP1482DS, >4.75VIN, 0.923-15V OUT, SOIC8", MFG Name=MPS, MFG PART NUM=MP1482DS-LF, MODIFY DATE="12/27/2005 8:34:25 AM", OTHER="additional spec", P1=">4.75V IN", P2="0.923-15V OUT", P3=W, SIZE=8SOIC, Supplier 1=Digi-Key
U3: library part CMP-0058-01000-2, "Automotive LVDS Dual Differential Driver, 8-pin Narrow SOIC", Manufacturer="National Semiconductor", PackageTopMarking=NSZXTT*90LV0*27AQM, PowerWise=N, Code_IPC=SOIC127P600-8, Code_JEDEC=MS-012-AA, ComponentLink1Description="DS90LV027AQ Datasheet", ComponentLink1URL=http://www.national.com/ds/DS/DS90LV027AQ.pdf, ComponentLink2Description="DS90LV027AQ Web Page", ComponentLink2URL=http://www.national.com/pf/DS/DS90LV027AQ.html, ComponentLink3Description="M08A Package Page", ComponentLink3URL=http://www.national.com/packaging/folders/m08a.html, CompType="Interface IC", DatasheetVersion=Oct-2008, PackageDescription="SOIC Narrow, 4.9 x 3.9 x 1.45mm, 8 Lead, 1.27mm Pitch", PackageReference=M08A, PackageVersion="revM, May-2009", PinCount=8, RevisionNote="Component URLs added", RoHS=Y
U4: library part CMP-0058-01010-2, "Automotive LVDS Dual Differential Line Receiver, 8-pin Narrow SOIC", Manufacturer="National Semiconductor", PackageTopMarking=NSZXTT*90LV0*28AQM, PowerWise=N, Code_IPC=SOIC127P600-8, Code_JEDEC=MS-012-AA, ComponentLink1Description="DS90LV028AQ Datasheet", ComponentLink1URL=http://www.national.com/ds/DS/DS90LV028AQ.pdf, ComponentLink2Description="DS90LV028AQ Web Page", ComponentLink2URL=http://www.national.com/pf/DS/DS90LV028AQ.html, ComponentLink3Description="M08A Package Page", ComponentLink3URL=http://www.national.com/packaging/folders/m08a.html, CompType="Interface IC", DatasheetVersion=Oct-2008, PackageDescription="SOIC Narrow, 4.9 x 3.9 x 1.45mm, 8 Lead, 1.27mm Pitch", PackageReference=M08A, PackageVersion="revM, May-2009", PinCount=8, RevisionNote="Component URLs added", RoHS=Y
U5: library part SAMTEC-HTSH-105-01-L-DV, "CONN, HDR, 2X5, VERT, 0.1IN  SHROUDED, SMT, HTSH SERIES", MAXTEMP=125C, MINTEMP=-55C, Supplier Part Number 1=SAM8809-ND, VALENTIUM PART NUM=<VALENTIUM>, CATEGORY="CONN, HDR", DESC="CONN, HDR, 2X5, VERT, 0.1IN  SHROUDED, SMT, HTSH SERIES", MFG Name="SAMTEC INC", MFG PART NUM=HTST-105-01-L-DV-A, MODIFY DATE=10/10/2013, OTHER="HTSH SERIES", P1=VERT, P2="0.1 IN", P3=SHROUDED, SIZE=SMT, Supplier 1=Digi-Key
U6 U8 U11 U12: library part CMP-07111-000001-1, "IC BUF NON-INVERT 5.5V SOT23-5", Ambient Temperature Range High=+85°C, Ambient Temperature Range Low=-40°C, Manufacturer="ON Semiconductor", Max Junction Temp=+150°C, Max Supply Voltage=5.5V, Min Supply Voltage=1.65V, Nominal Supply Current=2uA, Package=318BQ, Temperature="-40°C to +85°C", Automotive=No, CATEGORY=IC, ComponentLink2Description=Datasheet, ComponentLink2URL=https://www.onsemi.com/pub/Collateral/NC7SZ125-D.PDF, Device Class L1="Integrated Circuits (ICs)", Device Class L2="Logic ICs", Device Class L3=Buffers, Digikey Description="IC BUF NON-INVERT 5.5V SOT23-5", Footprint Url=https://www.onsemi.com/pub/Collateral/527AH.PDF, Height=1.1mm, Ipc Land Pattern Name=SOT95P275X100-5, Lead Free=Yes, Logic Function Desc=Non-Inverting, Manufacturer Part Number=NC7SZ125M5, Mouser Description="Buffers & Line Drivers Buffer w/ 3-STAT O", Number Of Circuits=1, Number Of Inputs=1, Number Of Outputs=1, Octopart=https://octopart.com/nc7sz125m5-on+semiconductor-84330746, Propagation Delay=2.6ns, Quiescent Current=2uA, RoHS=TRUE, Standoff Height=0.01mm, Temperature Range High=+85°C, Temperature Range Low=-40°C
U7: library part CMP-06313-000011-1, "IC EEPROM 2K I2C 1MHZ SOT23-5", Frequency=1000kHz, Manufacturer=Microchip, Max Supply Voltage=5.5V, Min Supply Voltage=1.7V, Nominal Supply Current=0.4-2mA, Package=5TS1, Temperature="-40°C to +85°C", Temperature Range High=+85°C, Temperature Range Low=-40°C, Access Time=0.55us, Automotive=No, CATEGORY=IC, ComponentLink2Description=Datasheet, ComponentLink2URL=http://ww1.microchip.com/downloads/en/DeviceDoc/Atmel-8807-SEEPROM-AT24MAC402-602-Datasheet.pdf, Device Class L1="Integrated Circuits (ICs)", Device Class L2=Memory, Device Class L3=EEPROM, Digikey Description="IC EEPROM 2K I2C 1MHZ SOT23-5", Height=1mm, Interface=I2C,2-Wire, Ipc Land Pattern Name=SOT95P280X100-5, Lead Free=Yes, Manufacturer Part Number=AT24MAC402-STUM-T, Memory Size=2Kbits, Memory Type=EEPROM, Mouser Description="EEPROM Serial-I2C 2K-bit 256 x 8 1.8V/2.5V/3.3V/5V 5-Pin SOT-23 T/R", Octopart=https://octopart.com/at24mac402-stum-t-microchip-77758112, RoHS=TRUE, Standoff Height=0mm
U9: "MOD, GPS", MAXTEMP=80C, MINTEMP=-40C, Supplier Part Number 1=672-RCB-F9T-ND, VELENTIUM PART NUM="<V PART NUM>", CATEGORY=MOD, DESC="MOD BLE 4.2", MFG Name=UBLOCKS, MFG PART NUM=RCB-F9T, MODIFY DATE=9/11/13, P1=GPS, Supplier 1=Digi-Key
U10: "MOD, MAC, MAC-SA5X, ATOMIC CLOCK", MAXTEMP=85C, MINTEMP=-40C, VELENTIUM PART NUM="<V PART NUM>", CATEGORY=MOD, DESC="MOD, MAC, MAC-SA5X, ATOMIC CLOCK", MFG Name=MICROCHIP, MFG PART NUM=MAC-SA5X, MODIFY DATE="3/22/2006 1:36:44 PM", OTHER=AEC-Q200, P1="ATOMIC CLOCK"
U13: library part CMP-191067-000010-1, "IMU ACCEL/GYRO/MAG", Case/Package=LGA, Max Operating Temperature=85°C, Min Operating Temperature=-40°C, Mount="Surface Mount", Number of Pins=14, Output Type=SPI, Packaging="Tape and Reel", Sensor Type=Accelerometer
U14: library part CMP-2000-05073-3, "SENSOR PRESSURE HUMIDITY TEMP", Case/Package=LGA, Max Operating Temperature=85°C, Min Operating Temperature=-40°C, Accuracy=3%, Lead Free="Lead Free", Mount="Surface Mount", Number of Pins=8, Output Type=SPI, Packaging="Cut Tape", Response Time=1s, Sensor Type=Temperature

## Free pads (board coordinates)
  round 250 hole 125.2 unplated: MH1(285.43,368.11) MH2(285.43,4152.06)

## Via types
v1: diameter 16, hole 8, TOP to BOTTOM, tented both sides, 328 vias
v2: diameter 200, hole 122, TOP to BOTTOM, 4 vias
v3: diameter 32, hole 16, TOP to BOTTOM, tented both sides, 2 vias
v4: diameter 50, hole 28, TOP to BOTTOM, 1 vias